# Altium PCB BMS_V2.1_Adv.PcbDoc (part 2 of 4) (continued)
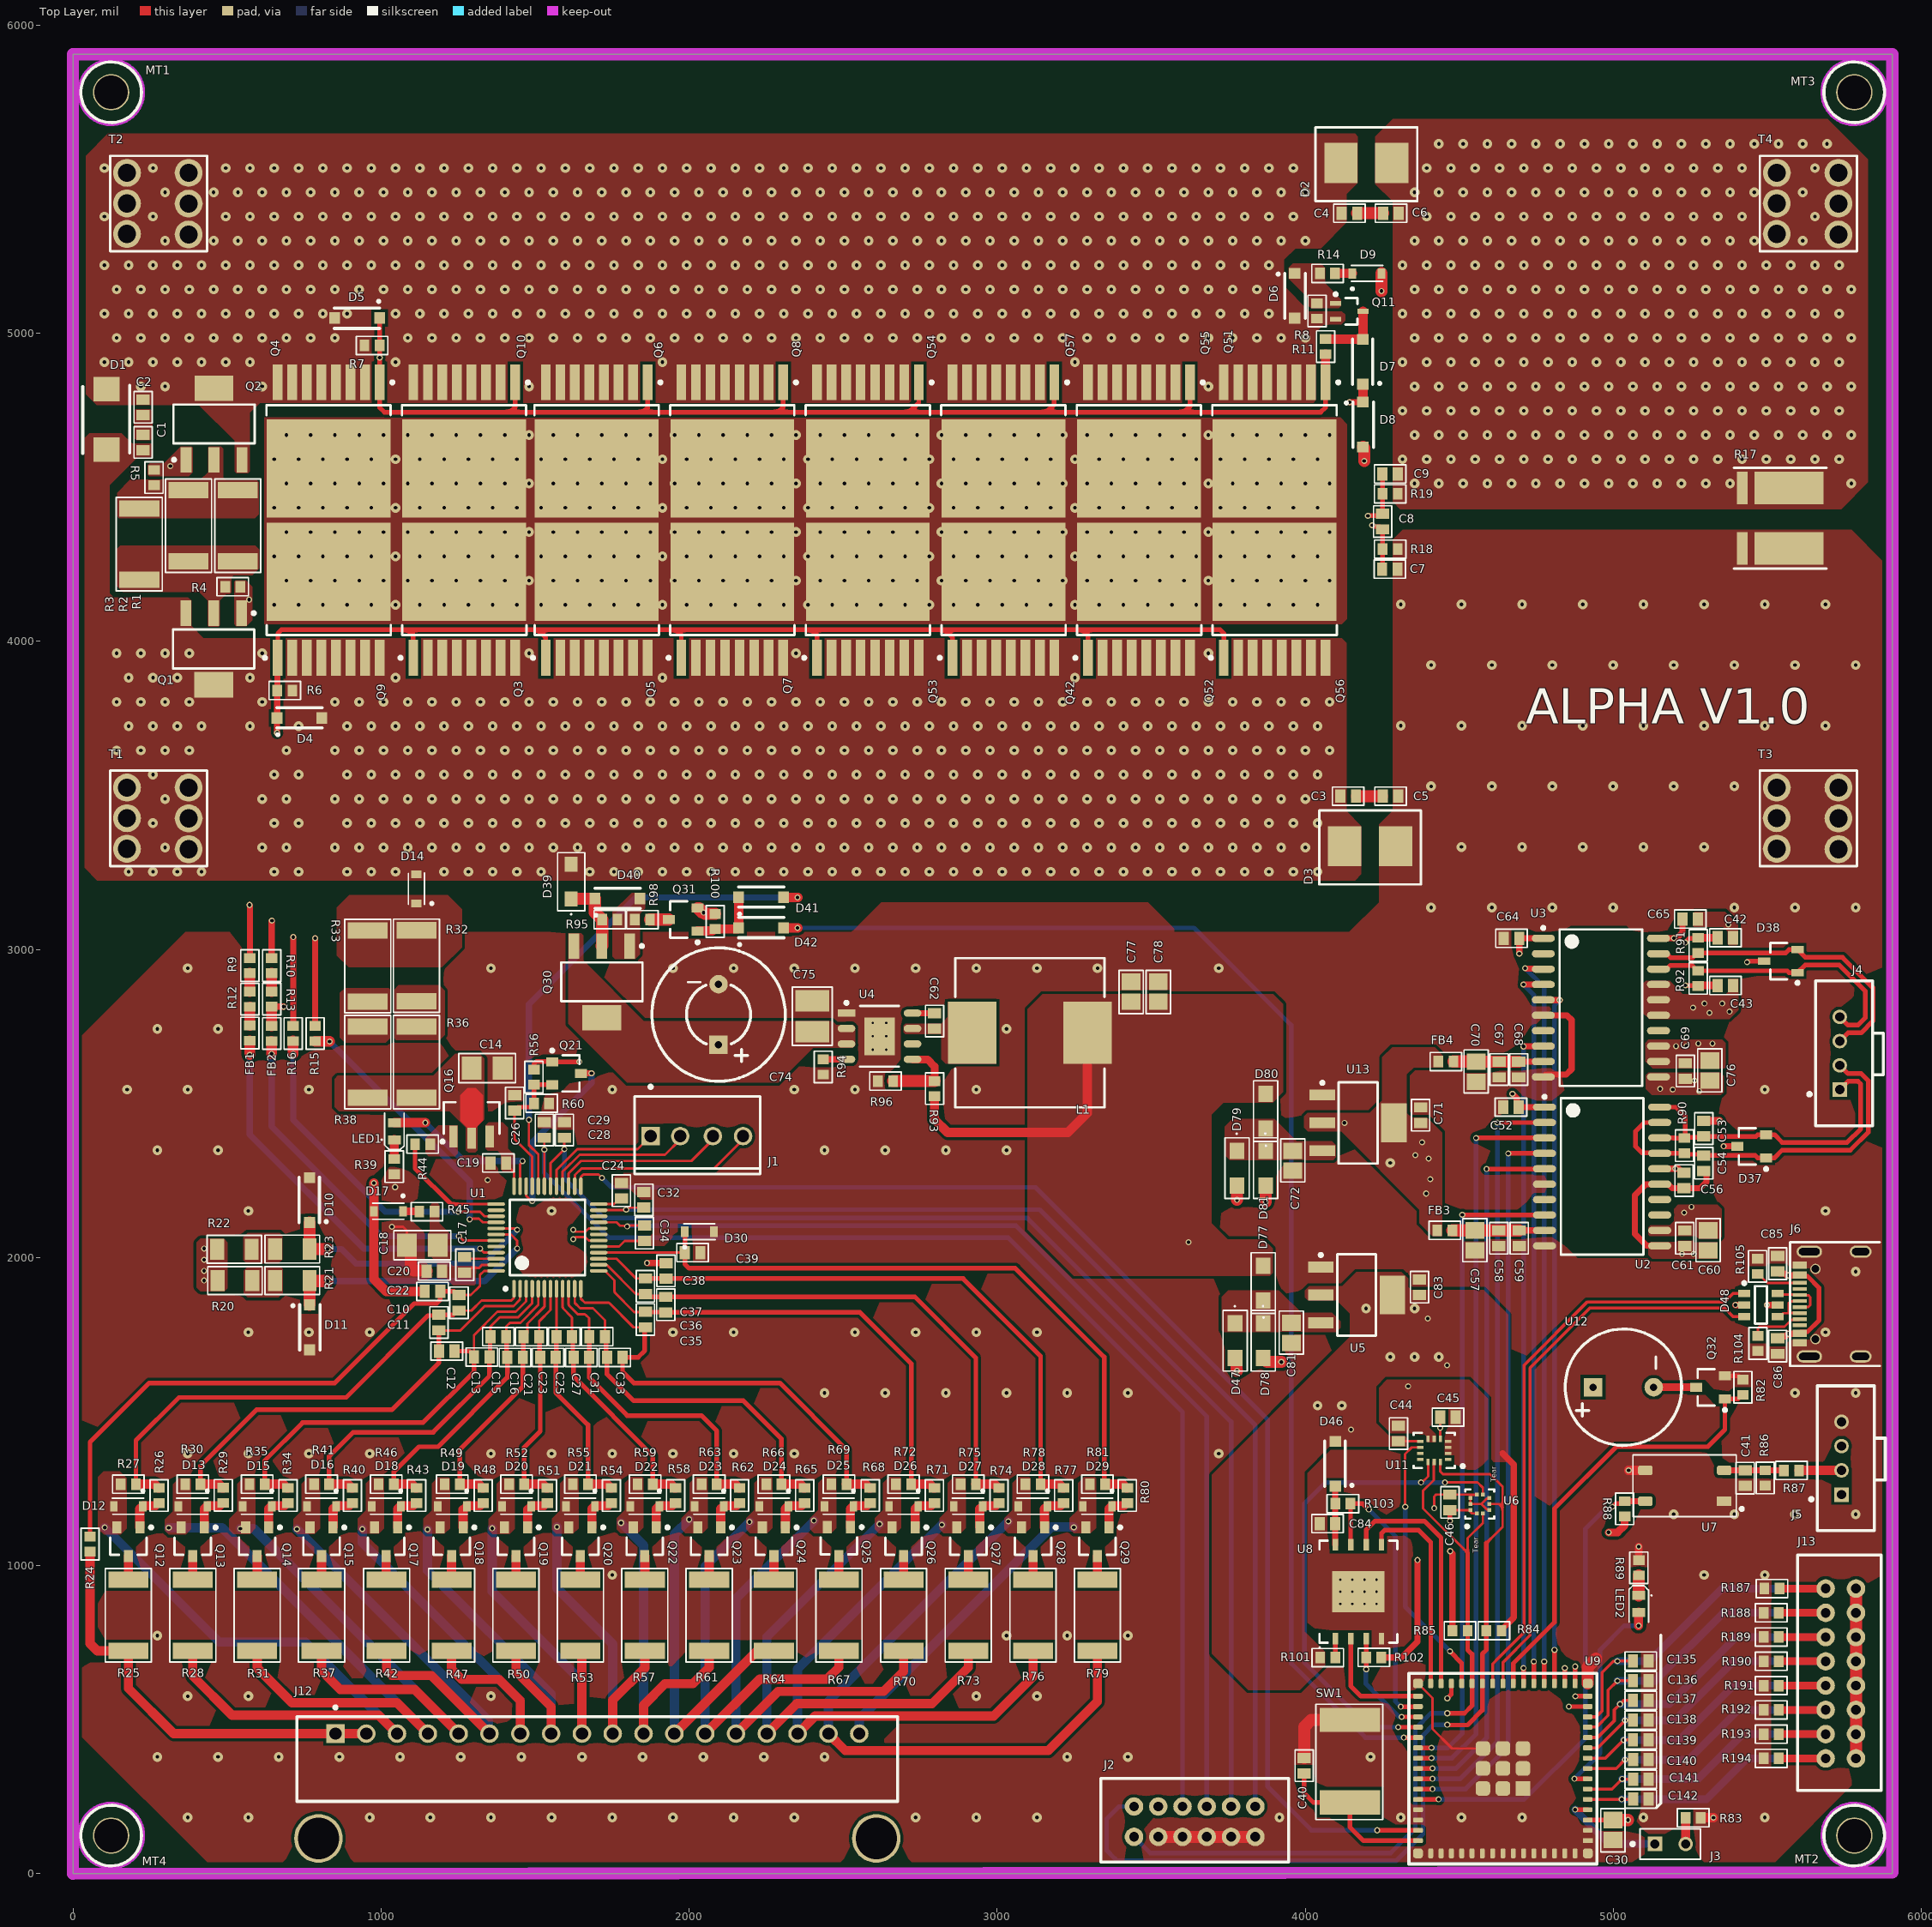
[diagram p0: Top Layer view]
## Part data (continued)
R95: library part Res_CRCW06033M00JNEA, "SMD Chip Resistor,3 MOhms ±5%, 1/10W, 0603 (1608 Metric) Anti-Sulfur, Automotive AEC-Q200 Thick Film", Manufacturer="Vishay Dale", Max Temp="155 degC", Min Temp="-55 degC", Package=0603, Power=1/10W, Supplier 1 Part Number=541-CRCW06033M00JNEACT-ND, Supplier Part Number=71-CRCW0603J-3M-E3, Tolerance=5%, Value Display="3ME, 5%, 0603", AEC-Q=200, Category=Resistor, ComponentLink1Description=Datasheet, ComponentLink1URL=https://www.vishay.com/docs/20035/dcrcwe3.pdf, Manufacturer Part Number=CRCW06033M00JNEA, Mount Type="Surface Mount", RoHS=Yes, Supplier=Mouser, Supplier 1=Digikey, Supplier 1 pricing per Unit="8.34 INR", Supplier pricing per Unit="8.34 INR", Value 1=CRCW06033M00JNEA
R96: library part Res_AC0603FR-079K09L, "SMD Chip Resistor,9.09k Ohms ±1% 0.1W, 1/10W, 0603 (1608 Metric) Anti-Sulfur, Automotive AEC-Q200 Thick Film", Manufacturer=Yageo, Max Temp="155 degC", Min Temp="-55 degC", Package=0603, Power=1/10W, Supplier 1 Part Number=13-AC0603FR-079K09LCT-ND, Supplier Part Number=603-AC0603FR-079K09L, Tolerance=1%, Value Display="9.09kE, 1%, 0603", AEC-Q=200, Category=Resistor, ComponentLink1Description=Datasheet, ComponentLink1URL=https://www.yageo.com/upload/media/product/productsearch/datasheet/rchip/PYu-AC_51_RoHS_L_10.pdf, Manufacturer Part Number=AC0603FR-079K09L, Mount Type="Surface Mount", RoHS=Yes, Supplier=Mouser, Supplier 1=Digikey, Supplier 1 pricing per Unit="8.34 INR", Supplier pricing per Unit="8.34 INR", Value 1=AC0603FR-079K09L
R98: library part Res_CRCW06036M80JNEA, "SMD Chip Resistor,6.8 MOhms ±5%, 1/10W, 0603 (1608 Metric) Anti-Sulfur, Automotive AEC-Q200 Thick Film", Manufacturer="Vishay Dale", Max Temp="155 degC", Min Temp="-55 degC", Package=0603, Power=1/10W, Supplier 1 Part Number=541-CRCW06036M80JNEACT-ND, Supplier Part Number=71-CRCW0603J-6.8M-E3, Tolerance=5%, Value Display="6.8ME, 5%, 0603", AEC-Q=200, Category=Resistor, ComponentLink1Description=Datasheet, ComponentLink1URL=https://www.vishay.com/docs/20035/dcrcwe3.pdf, Manufacturer Part Number=CRCW06036M80JNEA, Mount Type="Surface Mount", RoHS=Yes, Supplier=Mouser, Supplier 1=Digikey, Supplier 1 pricing per Unit="8.34 INR", Supplier pricing per Unit="8.34 INR", Value 1=CRCW06036M80JNEA
R187 R188 R189 R190 R191 R192 R193 R194: library part Res_RNCF0603BTE10K0, "SMD Chip Resistor, 10 kOhm, 100 mW, 0603 [1608 Metric], Thick Film, General Purpose, High Precision", Manufacturer="Stackpole Electronics", Max Temp="155 degC", Min Temp="-55 degC", Package=0603, Power=1/6W, Supplier 1 Part Number=RNCF0603BTE10K0CT-ND, Supplier Part Number=708-RNCF0603BTE10K0, Tolerance=0.1%, Value Display="10kE, 0.1%, 0603", AEC-Q=200, Category=Resistor, ComponentLink1Description=Datasheet, ComponentLink1URL=https://www.seielect.com/catalog/sei-rncf.pdf, Manufacturer Part Number=RNCF0603BTE10K0, Mount Type="Surface Mount", RoHS=Yes, Supplier=Mouser, Supplier 1=Digikey, Supplier 1 pricing per Unit="13.34 INR", Supplier pricing per Unit="12.51 INR", Value 1=RNCF0603BTE10K0
SW1: library part Sw_TL3305AF260QG, "SWITCH TACTILE SPST-NO 0.05A 12V", Manufacturer="E Switch", Package=SMT, Supplier 1 Part Number=EG5353CT-ND, Supplier Part Number=612-TL3305AF260QG, Category=Switch, ComponentLink1Description=Datasheet, ComponentLink1URL=https://configured-product-images.s3.amazonaws.com/Datasheets/TL3305.pdf, Manufacturer Part Number=TL3305AF260QG, Mount Type="Surface Mount", RoHS=Yes, Supplier=Mouser, Supplier 1=Digikey, Supplier 1 pricing per Unit="17.61 INR", Supplier pricing per Unit="17.51 INR", Value 1=TL3305AF260QG, Value Display=TL3305AF260QG
T1 T2 T3 T4: library part Terminal_7461057, "6 Pin Screw Terminal, Power Tap M3 Through Hole", Manufacturer="Wurth Electronik", Package=TH, Supplier 1 Part Number=732-3200-ND, Supplier Part Number=710-7461057, Value Display="M3 Screw Terminal", Category=Terminal, ComponentLink1Description=Datasheet, ComponentLink1URL=https://www.we-online.com/components/products/datasheet/7461057.pdf, Manufacturer Part Number=7461057, Mount Type=TH, RoHS=Yes, Supplier=Mouser, Supplier 1=Digikey, Supplier 1 pricing per Unit="213.66 INR", Supplier pricing per Unit="213.30 INR", Value 1=7461057
U1: library part IC_BQ7695203, "SPI 5V LDO enabled", Manufacturer="Texas Instruments", Manufacturer Part Number=BQ7695203PFBR, Max Temp="85 degC", Min Temp="-40 degC", Package=TQFP, Supplier 1 Part Number=296-BQ7695203PFBRCT-ND, Supplier Part Number=595-BQ7695203PFBR, Value Display=AFE, AEC-Q=NA, Category="Battery Management IC", Communication=SPI, ComponentLink1Description=Datasheet, ComponentLink1URL=https://www.ti.com/lit/ds/symlink/bq76952.pdf?ts=1714053938138&ref_url=https%253A%252F%252Fwww.ti.com%252Fproduct%252FBQ76952, LDO=5V, Mount Type="Surface Mount", RoHS=Yes, Supplier=Mouser, Supplier 1=Digikey, Supplier 1 pricing per Unit="451.09 INR", Supplier pricing per Unit="443.85 INR", Value 1=BQ7695203PFBR
U2: library part IC_ISOW1412BDFMR, "RS-422/RS-485 Interface IC EMC protected, 500-Kbps, full-duplex, 5-kVrms isolated RS-485 & RS-422 transceiver 16-SOIC -40 to 125", Manufacturer="Texas Instruments", Max Temp="125 degC", Min Temp="-40 degC", Package=DFM, Supplier 1 Part Number=296-ISOW1412BDFMRCT-ND, Supplier Part Number=595-ISOW1412BDFMR, AEC-Q=NA, Category="Isolated RS485", ComponentLink1Description=Datasheet, ComponentLink1URL=https://www.ti.com/lit/ds/symlink/isow1432.pdf?ts=1718250901222&ref_url=https%253A%252F%252Fwww.mouser.in%252F, Manufacturer Part Number=ISOW1412BDFMR, Mount Type="Surface Mount", RoHS=Yes, Supplier=Mouser, Supplier 1=Digikey, Supplier 1 pricing per Unit="742.42 INR", Supplier pricing per Unit="885.71 INR", Value 1=ISOW1412BDFMR, Value Display=ISOW1412BDFMR
U3: library part IC_ISOW1044BDFMR, "1/1 Transceiver, Isolated Half CANbus 20-SOIC", Manufacturer="Texas Instruments", Max Temp="125 degC", Min Temp="-40 degC", Package=DFM, Supplier 1 Part Number=296-ISOW1044BDFMRCT-ND, Supplier Part Number=595-ISOW1044BDFMR, AEC-Q=NA, Category="Isolated CAN", ComponentLink1Description=Datasheet, ComponentLink1URL=https://www.ti.com/lit/ds/symlink/isow1044.pdf?ts=1694787726249&ref_url=https%253A%252F%252Fwww.ti.com%252Fsitesearch%252Fen-us%252Fdocs%252Funiversalsearch.tsp%253FlangPref%253Den-US%2526searchTerm%253DISOW1044BDFMR%2526nr%253D6, Manufacturer Part Number=ISOW1044BDFMR, Mount Type="Surface Mount", RoHS=Yes, Supplier=Mouser, Supplier 1=Digikey, Supplier 1 pricing per Unit="736.25 INR", Supplier pricing per Unit="881.54 INR", Value 1=ISOW1044BDFMR, Value Display=ISOW1044BDFMR
U4: library part IC_LMR38020FSDDAR, "Buck Switching Regulator IC Positive Adjustable 1V 1 Output 2A 8-PowerSOIC (0.154\", 3.90mm Width)", Manufacturer="Texas Instruments", Max Temp="150 degC", Min Temp="-40 degC", Package="DDA (SO Power PAD)", Supplier 1 Part Number=296-LMR38020FSDDARCT-ND, Supplier Part Number=595-LMR38020FSDDAR, Voltage="4.5V - 80V", AEC-Q=NA, Category="Buck Converter IC", ComponentLink1Description=Datasheet, ComponentLink1URL=https://www.ti.com/lit/ds/symlink/lmr38020.pdf?ts=1730698175380&ref_url=https%253A%252F%252Fwww.ti.com%252Fproduct%252FLMR38020%253FkeyMatch%253DLMR38020%2526tisearch%253Duniversal_search, Manufacturer Part Number=LMR38020FSDDAR, Mount Type="Surface Mount", RoHS=Yes, Supplier=Mouser, Supplier 1=Digikey, Supplier 1 pricing per Unit="207.70 INR", Supplier pricing per Unit="206.00 INR", Value 1=LMR38020FSDDAR, Value Display=LMR38020FSDDAR
U5: library part IC_NCP1117ST33T3G, "LDO Voltage Regulators 3.3V 1A Positive", Manufacturer=OnSemi, Max Temp="125 degC", Min Temp="0 degC", Package="SOT 22-3", Supplier 1 Part Number=NCP1117ST33T3GOSCT-ND, Supplier Part Number=863-NCP1117ST33T3G, Value Display="3.3V - 1A", Voltage="20V (Max)", AEC-Q=NA, Category=LDO, ComponentLink1Description=Datasheet, ComponentLink1URL=https://www.onsemi.com/pdf/datasheet/ncp1117-d.pdf, Manufacturer Part Number=NCP1117ST33T3G, Mount Type="Surface Mount", RoHS=Yes, Supplier=Mouser, Supplier 1=Digikey, Supplier 1 pricing per Unit="93.9 INR", Supplier pricing per Unit="56.71 INR", Value 1=NCP1117ST33T3G
U6: library part IC_ILPS22QSTR, "Pressure Sensor 3.77PSI ~ 58.89PSI (26kPa ~ 406kPa) Absolute 24 b 10-WFLGA", Manufacturer=ST, Max Temp="105 degC", Min Temp="-40 degC", Package=HLGA, Supplier 1 Part Number=497-ILPS22QSTRCT-ND, Supplier Part Number=511-ILPS22QSTR, Value Display="3.3V - 50uA", Voltage=3.3V, AEC-Q=NA, Category="Pressure Sensor", ComponentLink1Description=Datasheet, ComponentLink1URL=https://www.st.com/resource/en/datasheet/ilps22qs.pdf, Manufacturer Part Number=ILPS22QSTR, Mount Type="Surface Mount", RoHS=Yes, Supplier=Mouser, Supplier 1=Digikey, Supplier 1 pricing per Unit="377.56 INR", Supplier pricing per Unit="395.35 INR", Value 1=ILPS22QSTR
U7: library part IC_VOM617A-4X001T, "Optoisolator Transistor Output 3750Vrms 1 Channel 4-SOP", Manufacturer="Vishay Dale", Max Temp="110 degC", Min Temp="-55 degC", Package="SOP 4", Supplier 1 Part Number=VOM617A-4X001TCT-ND, Supplier Part Number=78-VOM617A-4X001T, Value Display="1.6V - 60mA/ 80V - 100mA", Voltage="3750 VRMS", AEC-Q=NA, Category="Opto Coupler", ComponentLink1Description=Datasheet, ComponentLink1URL=https://www.vishay.com/docs/83446/vom617a.pdf, Manufacturer Part Number=VOM617A-4X001T, Mount Type="Surface Mount", RoHS=Yes, Supplier=Mouser, Supplier 1=Digikey, Supplier 1 pricing per Unit="52.14 INR", Supplier pricing per Unit="52.71 INR", Value 1=VOM617A-4X001T
U8: library part IC_W25Q256JVEIQ, "FLASH - NOR Memory IC 256Mbit SPI - Quad I/O 133 MHz 8-WSON (8x6)", Manufacturer=Winbond, Max Temp="85 degC", Min Temp="-40 degC", Package=WSON-8, Supplier 1 Part Number=W25Q256JVEIQ-ND, Supplier Part Number=454-W25Q256JVEIQ, Voltage=3.3V, AEC-Q=NA, Category="Flash Memory", ComponentLink1Description=Datasheet, ComponentLink1URL=https://www.winbond.com/hq/support/documentation/levelOne.jsp?__locale=en&DocNo=DA00-W25Q256JV, Data Flash=256Mbit, Manufacturer Part Number=W25Q256JVEIQ, Mount Type="Surface Mount", RoHS=Yes, Supplier=Mouser, Supplier 1=Digikey, Supplier 1 pricing per Unit="268.68 INR", Supplier pricing per Unit="267.71 INR", Value 1=W25Q256JVEIQ, Value Display=W25Q256JVEIQ
U9: library part IC_ESP32-S3-MINI-1-N8, "Multiprotocol Modules SMD module, ESP32-S3FN8, 8 MB SPI flash, PCB antenna", Manufacturer=Espressif, Max Temp="85 degC", Min Temp="-40 degC", Package=Module, Supplier 1 Part Number=1965-ESP32-S3-MINI-1-N8CT-ND, Supplier Part Number=356-ESP32-S3-MINI1N8, Value Display=MCU, AEC-Q=NA, Category=MCU, ComponentLink1Description=Datasheet, ComponentLink1URL=https://www.espressif.com/sites/default/files/documentation/esp32-s3-mini-1_mini-1u_datasheet_en.pdf, Data Flash="8 MB", Manufacturer Part Number=ESP32-S3-MINI-1-N8, Mount Type="Surface Mount", RoHS=Yes, Supplier=Mouser, Supplier 1=Digikey, Supplier 1 pricing per Unit="259.84 INR", Supplier pricing per Unit="258.54 INR", Value 1=ESP32-S3-MINI-1-N8
U11: library part IC_ASM330LHHTR, "Accelerometer, Gyroscope, Temperature, 6 Axis Sensor I2C, SPI Output", Manufacturer=ST, Max Temp="105 degC", Min Temp="-40 degC", Package=SMT, Supplier 1 Part Number=497-19078-1-ND, Supplier Part Number=511-ASM330LHHTR, Voltage=3.3V, AEC-Q=100, Category="Inertial module", ComponentLink1Description=Datasheet, ComponentLink1URL=https://www.st.com/resource/en/datasheet/asm330lhh.pdf, Manufacturer Part Number=ASM330LHHTR, Mount Type="Surface Mount", RoHS=Yes, Supplier=Mouser, Supplier 1=Digikey, Supplier 1 pricing per Unit="850.9 INR", Supplier pricing per Unit="810.11 INR", Value 1=ASM330LHHTR, Value Display=ASM330LHHTR
U12: library part IC_AI-1027-TWT-5V-R, "Buzzers Indicator, Internally Driven Electromechanical/Magnetic 5 V 30mA 2.7kHz 80dB @ 5V, 10cm Through Hole PC Pins", Manufacturer=PUIaudio, Max Temp="80 degC", Min Temp="-20 degC", Package=TH, Supplier 1 Part Number=668-1339-ND, Supplier Part Number=665-AI-1027TWT5VR, Value Display="5V - 30mA", Voltage=5V, AEC-Q=NA, Category=Buzzer, ComponentLink1Description=Datasheet, ComponentLink1URL=https://docs.google.com/gview?url=https://api.puiaudio.com/filename/AI-1027-TWT-5V-R.pdf&embedded=true, Manufacturer Part Number=AI-1027-TWT-5V-R, Mount Type=TH, RoHS=Yes, Supplier=Mouser, Supplier 1=Digikey, Supplier 1 pricing per Unit="124.45 INR", Supplier pricing per Unit="123.43 INR", Value 1=AI-1027-TWT-5V-R
U13: library part IC_NCP1117ST50T3G, "LDO Voltage Regulators 5V 1A Positive", Manufacturer=OnSemi, Max Temp="125 degC", Min Temp="0 degC", Package="SOT 22-3", Supplier 1 Part Number=NCP1117ST50T3GOSCT-ND, Supplier Part Number=863-NCP1117ST50T3G, Value Display="5V - 1A", Voltage="20V (Max)", AEC-Q=NA, Category=LDO, ComponentLink1Description=Datasheet, ComponentLink1URL=https://www.onsemi.com/pdf/datasheet/ncp1117-d.pdf, Manufacturer Part Number=NCP1117ST50T3G, Mount Type="Surface Mount", RoHS=Yes, Supplier=Mouser, Supplier 1=Digikey, Supplier 1 pricing per Unit="94.18 INR", Supplier pricing per Unit="56.71 INR", Value 1=NCP1117ST50T3G

## Via types
v1: diameter 31.5, hole 11.81, Top Layer to Bottom Layer, 1038 vias
v2: diameter 31.5/31.5/31.5/31.5 (per signal layer), hole 11.81, Top Layer to Bottom Layer, 513 vias
v3: diameter 19.68, hole 11.81, Top Layer to Bottom Layer, 172 vias
v4: diameter 19.68, hole 7.87, Top Layer to Bottom Layer, 18 vias

## Nets (pads, with @x,y where several pads share a name; then routed paths per layer and width w, separated by ;. In a path a pad name is that pad's centre, name@x,y a point inside that pad or via, vN(x,y) a via of type N, cw(c..) or ccw(c..) an arc to the next point about the centre after c; other vN are vias at no path point)
1.8V: C24.1 U1.24 | length 81.3
  Top Layer w8: U1.24@1706.34,2173.27 1756.35,2173.27 1774.88,2191.8 C24.1@1780,2191.8
3.3V: C30.1 C44.2 C45.1 C46.1 C52.2 C64.2 C83.2 D46.2 J13.9 J13.10 J13.11 J13.12 J13.13 J13.14 J13.15 J13.16 R84.1 R85.1 R88.1 R101.1 R102.1 U2.1 U3.1 U5.2 U6.1 U6.10 U9.3 U11.5 U11.8 | length 6246.3
  Top Layer w8: C44.2@4302,1403.53 U11.8@4372.72,1403.53 ; U11.5@4437.69,1411.4 v3(4437.69,1446.83) C45.1@4437.69,1481.9 ; C46.1@4469,1180.32 U6.10@4535.49,1180.32 4535.49,1174.17 4540.17,1169.49 U6.1@4556.16,1169.49
  Top Layer w15: v3(4469,1144.84) C46.1@4469,1180.32 ; U9.3@4916.04,174.64 C30.1@4998.17,174.64
  Top Layer w20: R102.1@4246.61,702 4312.46,702 4364,753.54 v3(4364,1018) ; v3(4470,1047) 4477.39,1039.61 R85.1@4477.39,789 ; R84.1@4636.27,789 4636.27,791.95 4676,831.68 4676,1328.16 4640,1364.16 ; v3(4672,2531) 4685.66,2517.34 4685.66,2494.54 C52.2@4692.2,2488 U2.1@4775.98,2488 ; v3(4694.2,2986) C64.2@4694.2,3036 U3.1@4771.99,3036
  Top Layer w25: v3(4984,1108) 5013.02,1108 5036.08,1131.06 R88.1@5036.08,1160.05
  Top Layer w39.37: C30.1@4998.17,174.64 v3(5046.77,174.64) ; J13.9@5787,374.52 J13.10@5787,453.26 J13.11@5787,532 J13.12@5787,610.74 J13.13@5787,689.48 J13.14@5787,768.22 J13.15@5787,846.96 J13.16@5787,925.7
  PWR w39.37: v3(4397,1802) 4397,1487.52 v3(4437.69,1446.83) ; v3(4460,1650) 4460,1583 4935,1108 v3(4984,1108) 5713,1108 5787,1034 J13.16@5787,925.7 J13.15@5787,846.96 J13.14@5787,768.22 J13.13@5787,689.48 J13.12@5787,610.74 J13.11@5787,532 J13.10@5787,453.26 J13.9@5787,374.52 ; 4943.25,1108 4943.25,216.76 4989.01,171 5043.13,171 v3(5046.77,174.64)
  other v2: 4039.37,1519.69 4118.11,1519.69 4275.59,1677.17 4354.33,1677.17 4433.07,1677.17 4196.85,1834.65 4354.33,1834.65
  other v3: 4148,1441.48
3.3V_AFE: Q21.3 U1.34 | length 586.3
  Top Layer w8: U1.34@1471.1,2231.34 1471.1,2200.83 1488.98,2182.95 v3(1490.79,2182.95)
  Top Layer w20: Q21.3@1648.82,2597.72 v3(1683.08,2597.72)
  Bottom Layer w20: v3(1490.79,2182.95) 1490.79,2373.65 1683.08,2565.95 v3(1683.08,2597.72)
5V: C71.2 FB3.1 FB4.1 J2.5 U12.1 U13.2 | length 2653.1
  GND w39.37: J2.5@3522.52,218.43 3522.52,2147.52 3812,2437 v3(4126.63,2437)
  other v2: 4275.59,2307.09
  other v3: 4392,2207.5 4405,2254 4400.17,2321 4356.86,2332.42 4378.51,2374.01
5V_AFE: LED1.2 U1.35 | length 552.8
  Top Layer w8: U1.35@1451.42,2231.34 1451.42,2302.29 1459.17,2310.04 v3(1459.17,2313.21)
  Top Layer w20: LED1.2@1043.16,2437.13 LED1.2@1043.57,2437.54
  Top Layer w30: LED1.2@1043.57,2437.54 v3(1143.86,2437.54)
  Bottom Layer w20: v3(1143.86,2437.54) 1268.19,2313.21 v3(1459.17,2313.21)
5V_CAN: C65.1 C69.2 C76.2 U3.12 U3.13 U3.20 | length 128.9
  Top Layer w20: U3.20@5146.01,3036 5204.91,3036 5223.8,3054.89 C65.1@5223.8,3098.22
  other v3: 5202.97,2686 5236.21,2686 5275,2694.35 5321.27,2694.35 5196.06,3036
5V_RS485: C56.2 C60.2 C61.2 U2.12 U2.16 | length 84.8
  Top Layer w20: U2.16@5150,2288 5150.5,2288.5 5210.39,2288.5 5223.88,2275.01 C56.2@5229,2275.01
  other v3: 5229,2145.89 5252.65,2164.17 5200.44,2288.5
12V: C77.2 C78.2 D77.2 D80.2 J5.1 L1.2 R93.2 | length 3606.2
  Top Layer w30: R93.2@2796.47,2523.35 2796.47,2448.53 2839,2406 3229,2406 3292.48,2469.48 L1.2@3292.48,2729.58
  GND w39.37: v3(3621,2050) 3622,2049 3622,1583 3974.48,1230.52 J5.1@5740,1230.52
12V_SEC: D47.2 D79.2 J5.3 | length 2710.6
  Top Layer w39.37: D47.2@3772,1674 3776.33,1669.67 3776.33,1633.67 v3(3778,1632) ; v3(3778,2187) D79.2@3778,2233.9
  GND w39.37: v3(3778,2187) 3778,1630 4020,1388 J5.3@5740,1388
ACC_INT2: U9.27 U11.9 | length 878.8
  Top Layer w8: v3(4324,1190.99) 4323.65,1191.34 4323.65,1362.33 4345.17,1383.84 U11.9@4372.72,1383.84
  Top Layer w15: v3(4469,722) 4507.18,683.82 U9.27@4507.18,617.55
  Bottom Layer w15: v3(4324,1190.99) 4324,867 v3(4469,722)
AFE_BAT: C17.2 C18.2 C20.2 R45.2 U1.47 | length 115.4
  Top Layer w8: C17.2@1271.7,1943.94 1294.27,1966.51 1318.37,1966.51 1328.27,1976.42 U1.47@1373.66,1976.42
AFE_RegIN: C19.1 Q16.E U1.36 | length 86.1
  Top Layer w8: C19.1@1406.2,2306.84 1406.2,2301.72 1431.73,2276.19 U1.36@1431.73,2231.34
AFE_TS1: C32.1 J2.1 U1.23 | length 3718.5
  Top Layer w8: U1.23@1706.34,2153.58 1793.99,2153.58 v3(1795.75,2155.34) 1798.91,2155.34 1805.42,2161.85 C32.1@1852.8,2161.85
  Bottom Layer w15: v3(1795.75,2155.34) 3137.55,2155.34 3837.48,1455.41 J2.1@3837.48,218.43
AFE_TS2: C28.2 J2.2 U1.30 | length 4011.9
  Top Layer w8: U1.30@1549.84,2231.34 1549.84,2306.41 v3(1595.12,2351.69) C28.2@1595.12,2388.5
  Bottom Layer w15: v3(1595.12,2351.69) 1595.12,2305.22 1593.39,2303.49 1593.39,2258.3 1723.68,2128 3097.99,2128 3758.74,1467.25 J2.2@3758.74,218.43
AFE_TS3: C34.1 J2.3 U1.21 | length 3558.5
  Top Layer w8: U1.21@1706.34,2114.21 1764.25,2114.21 1775.31,2103.16 1788.17,2103.16 1788.44,2102.89 1796.47,2102.89 v3(1798.7,2100.66) ; v3@1798.7,2104.22 C34.1@1854.95,2104.22
  Bottom Layer w15: v3(1798.7,2100.66) 1799.97,2100.66 1802.31,2103 3061,2103 3680,1484 J2.3@3680,218.43
AFE_TS4: C29.2 J2.4 U1.31 | length 3906.4
  Top Layer w8: U1.31@1530.16,2231.34 1530.04,2231.49 1530.04,2349.95 v3(1529.92,2350.07) 1529.92,2388.24 C29.2@1530.18,2388.5
  Bottom Layer w15: v3(1529.92,2350.07) 1529.16,2349.31 1529.16,2275.48 1740.75,2063.89 3036.11,2063.89 3601.26,1498.74 J2.4@3601.26,218.43
BREG: R44.1 U1.37 | length 389.9
  Top Layer w8: 1226.73,2173.27 U1.37@1373.66,2173.27
  Top Layer w15: R44.1@1110.39,2368 1110.39,2289.61 1226.73,2173.27
BST: C62.2 L1.1 U4.7
BUZZ_IN: Q32.1 R82.1 U9.22 | length 1446.4
  Top Layer w15: U9.22@4674.5,617.55 4674.5,682.5 4808.36,816.36 4808.36,1185.36 5009,1386 5306,1386 5361.5,1441.5 Q32.1@5361.5,1541.6 5404.25,1541.6 5417.05,1554.39 R82.1@5420,1554.39
CAN_EN: U3.8 U9.21 | length 2131.9
  Top Layer w15: U9.21@4707.97,617.55 v3(4707.97,667.66)
  Top Layer w20: v3(4707.97,2684.97) 4708.31,2685.31 4771.3,2685.31 U3.8@4771.99,2686
  Bottom Layer w15: v3(4707.97,667.66) v3(4707.97,2684.97)
CAN_GND: C42.1 C43.1 C65.2 C69.1 C76.1 D38.3 U3.11 U3.15 U3.16 U3.17 | length 53.9
  Top Layer w15: v3@5435,2962 D38.3@5488.87,2962
  other v3: 5278,2540.02 5192.27,2545.25 5151.15,2547.4 5262.5,2574.19 5311.27,2794.35 5376.39,2797.81 5258,2811 5295.08,2824.19 5352.69,2824.19 5433.35,2958.54 5372.71,3080.59
CAN_N: D38.1 J4.4 R92.2 U3.18 | length 921.3
  Top Layer w15: U3.18@5146.01,2936 5172.7,2936 5184.7,2948 5254.65,2948 5272.05,2930.61 5563.94,2930.61 5569.95,2924.6 D38.1@5597.13,2924.6 5621.54,2949 5733,2949 5817,2865 5817,2778.03 5793.21,2754.24 5761.06,2754.24 J4.4@5734.19,2781.11
CAN_P: D38.2 J4.3 R91.1 U3.19 | length 1006.2
  Top Layer w15: U3.19@5146.01,2986 5171.7,2986 5184.7,2973 5256.65,2973 5272.05,2988.39 5558.94,2988.39 5569.95,2999.4 D38.2@5597.13,2999.4 5622.54,2974 5743.36,2974 5842,2875.36 5842,2767.67 5803.57,2729.24 5761.06,2729.24 J4.3@5734.19,2702.37
CAN_RX: U3.5 U9.18 | length 2277.2
  Top Layer w15: U9.18@4808.36,617.55 v3(4808.36,726.72)
  Top Layer w20: U3.5@4772.69,2835.31 v3(4825.14,2835.31)
  Bottom Layer w15: v3(4808.36,726.72) 4808.36,2817.26 4825.14,2834.04 v3(4825.14,2835.31)
CAN_STBY: U3.4 U9.20 | length 2346.3
  Top Layer w15: U9.20@4741.43,617.55 v3(4741.43,689)
  Top Layer w20: v3(4707.97,2886) U3.4@4771.99,2886
  Bottom Layer w15: v3(4707.97,2886) 4741.43,2852.54 v3(4741.43,689)
CAN_TX: U3.3 U9.19 | length 2407.3
  Top Layer w15: v3(4713,2939) 4714.27,2939 v3@4715.62,2937.65 ; U3.3@4770.34,2937.65 U3.3@4771.99,2936 ; U9.19@4774.9,617.55 v3(4774.9,689)
  Top Layer w20: v3@4715.62,2937.65 U3.3@4770.34,2937.65
  Bottom Layer w15: v3(4713,2939) 4774.9,2877.1 v3(4774.9,689)
CD: Q3.9 Q4.9 Q5.9 Q6.9 Q7.9 Q8.9 Q9.9 Q10.9 Q42.9 Q51.9 Q52.9 Q53.9 Q54.9 Q55.9 Q56.9 Q57.9
  other v2: 653.54,4118.11 732.28,4118.11 811.02,4118.11 889.76,4118.11 968.51,4118.11 1047.25,4118.11 1125.99,4118.11 1204.73,4118.11 1283.47,4118.11 1362.21,4118.11 1440.95,4118.11 1519.69,4118.11 1598.43,4118.11 1677.17,4118.11 1755.91,4118.11 1834.65,4118.11 1913.39,4118.11 1992.13,4118.11 2070.87,4118.11 2149.61,4118.11 2228.35,4118.11 2307.09,4118.11 2385.83,4118.11 2464.57,4118.11 2543.31,4118.11 2622.05,4118.11 2700.79,4118.11 2779.53,4118.11 2858.27,4118.11 2937.01,4118.11 3015.75,4118.11 3094.49,4118.11 3173.23,4118.11 3251.97,4118.11 3330.71,4118.11 3409.45,4118.11 3488.19,4118.11 3566.93,4118.11 3645.67,4118.11 3724.41,4118.11 3803.15,4118.11 3881.89,4118.11 3960.63,4118.11 4039.37,4118.11 692.91,4196.85 771.65,4196.85 850.39,4196.85 929.13,4196.85 1007.88,4196.85 1086.62,4196.85 1165.36,4196.85 1244.1,4196.85 1322.84,4196.85 1401.58,4196.85 1480.32,4196.85 1559.06,4196.85 1637.8,4196.85 1716.54,4196.85 1795.28,4196.85 1874.02,4196.85 1952.76,4196.85 2031.5,4196.85 2110.24,4196.85 2188.98,4196.85 2267.72,4196.85 2346.46,4196.85 2425.2,4196.85 2503.94,4196.85 2582.68,4196.85 2661.42,4196.85 2740.16,4196.85 2818.9,4196.85 2897.64,4196.85 2976.38,4196.85 3055.12,4196.85 3133.86,4196.85 3212.6,4196.85 3291.34,4196.85 3370.08,4196.85 3448.82,4196.85 3527.56,4196.85 3606.3,4196.85 3685.04,4196.85 3763.78,4196.85 3842.52,4196.85 3921.26,4196.85 4000,4196.85 4078.74,4196.85 653.54,4275.59 732.28,4275.59 811.02,4275.59 889.76,4275.59 968.51,4275.59 1047.25,4275.59 1125.99,4275.59 1204.73,4275.59 1283.47,4275.59 1362.21,4275.59 1440.95,4275.59 1519.69,4275.59 1598.43,4275.59 1677.17,4275.59 1755.91,4275.59 1834.65,4275.59 1913.39,4275.59 1992.13,4275.59 2070.87,4275.59 2149.61,4275.59 2228.35,4275.59 2307.09,4275.59 2385.83,4275.59 2464.57,4275.59 2543.31,4275.59 2622.05,4275.59 2700.79,4275.59 2779.53,4275.59 2858.27,4275.59 2937.01,4275.59 3015.75,4275.59 3094.49,4275.59 3173.23,4275.59 3251.97,4275.59 3330.71,4275.59 3409.45,4275.59 3488.19,4275.59 3566.93,4275.59 3645.67,4275.59 3724.41,4275.59 3803.15,4275.59 3881.89,4275.59 3960.63,4275.59 4039.37,4275.59 692.91,4354.33 771.65,4354.33 850.39,4354.33 929.13,4354.33 1007.88,4354.33 1086.62,4354.33 1165.36,4354.33 1244.1,4354.33 1322.84,4354.33 1401.58,4354.33 1480.32,4354.33 1559.06,4354.33 1637.8,4354.33 1716.54,4354.33 1795.28,4354.33 1874.02,4354.33 1952.76,4354.33 2031.5,4354.33 2110.24,4354.33 2188.98,4354.33 2267.72,4354.33 2346.46,4354.33 2425.2,4354.33 2503.94,4354.33 2582.68,4354.33 2661.42,4354.33 2740.16,4354.33 2818.9,4354.33 2897.64,4354.33 2976.38,4354.33 3055.12,4354.33 3133.86,4354.33 3212.6,4354.33 3291.34,4354.33 3370.08,4354.33 3448.82,4354.33 3527.56,4354.33 3606.3,4354.33 3685.04,4354.33 3763.78,4354.33 3842.52,4354.33 3921.26,4354.33 4000,4354.33 4078.74,4354.33 653.54,4433.07 732.28,4433.07 811.02,4433.07 889.76,4433.07 968.51,4433.07 1047.25,4433.07 1125.99,4433.07 1204.73,4433.07 1283.47,4433.07 1362.21,4433.07 1440.95,4433.07 1519.69,4433.07 1598.43,4433.07 1677.17,4433.07 1755.91,4433.07 1834.65,4433.07 1913.39,4433.07 1992.13,4433.07 2070.87,4433.07 2149.61,4433.07 2228.35,4433.07 2307.09,4433.07 2385.83,4433.07 2464.57,4433.07 2543.31,4433.07 2622.05,4433.07 2700.79,4433.07 2779.53,4433.07 2858.27,4433.07 2937.01,4433.07 3015.75,4433.07 3094.49,4433.07 3173.23,4433.07 3251.97,4433.07 3330.71,4433.07 3409.45,4433.07 3488.19,4433.07 3566.93,4433.07 3645.67,4433.07 3724.41,4433.07 3803.15,4433.07 3881.89,4433.07 3960.63,4433.07 4039.37,4433.07 692.91,4511.81 771.65,4511.81 850.39,4511.81 929.13,4511.81 1007.88,4511.81 1086.62,4511.81 1165.36,4511.81 1244.1,4511.81 1322.84,4511.81 1401.58,4511.81 1480.32,4511.81 1559.06,4511.81 1637.8,4511.81 1716.54,4511.81 1795.28,4511.81 1874.02,4511.81 1952.76,4511.81 2031.5,4511.81 2110.24,4511.81 2188.98,4511.81 2267.72,4511.81 2346.46,4511.81 2425.2,4511.81 2503.94,4511.81 2582.68,4511.81 2661.42,4511.81 2740.16,4511.81 2818.9,4511.81 2897.64,4511.81 2976.38,4511.81 3055.12,4511.81 3133.86,4511.81 3212.6,4511.81 3291.34,4511.81 3370.08,4511.81 3448.82,4511.81 3527.56,4511.81 3606.3,4511.81 3685.04,4511.81 3763.78,4511.81 3842.52,4511.81 3921.26,4511.81 4000,4511.81 4078.74,4511.81 653.54,4590.55 732.28,4590.55 811.02,4590.55 889.76,4590.55 968.51,4590.55 1047.25,4590.55 1125.99,4590.55 1204.73,4590.55 1283.47,4590.55 1362.21,4590.55 1440.95,4590.55 1519.69,4590.55 1598.43,4590.55 1677.17,4590.55 1755.91,4590.55 1834.65,4590.55 1913.39,4590.55 1992.13,4590.55 2070.87,4590.55 2149.61,4590.55 2228.35,4590.55 2307.09,4590.55 2385.83,4590.55 2464.57,4590.55 2543.31,4590.55 2622.05,4590.55 2700.79,4590.55 2779.53,4590.55 2858.27,4590.55 2937.01,4590.55 3015.75,4590.55 3094.49,4590.55 3173.23,4590.55 3251.97,4590.55 3330.71,4590.55 3409.45,4590.55 3488.19,4590.55 3566.93,4590.55 3645.67,4590.55 3724.41,4590.55 3803.15,4590.55 3881.89,4590.55 3960.63,4590.55 4039.37,4590.55 692.91,4669.29 771.65,4669.29 850.39,4669.29 929.13,4669.29 1007.88,4669.29 1086.62,4669.29 1165.36,4669.29 1244.1,4669.29 1322.84,4669.29 1401.58,4669.29 1480.32,4669.29 1559.06,4669.29 1637.8,4669.29 1716.54,4669.29 1795.28,4669.29 1874.02,4669.29 1952.76,4669.29 2031.5,4669.29 2110.24,4669.29 2188.98,4669.29 2267.72,4669.29 2346.46,4669.29 2425.2,4669.29 2503.94,4669.29 2582.68,4669.29 2661.42,4669.29 2740.16,4669.29 2818.9,4669.29 2897.64,4669.29 2976.38,4669.29 3055.12,4669.29 3133.86,4669.29 3212.6,4669.29 3291.34,4669.29 3370.08,4669.29 3448.82,4669.29 3527.56,4669.29 3606.3,4669.29 3685.04,4669.29 3763.78,4669.29 3842.52,4669.29 3921.26,4669.29 4000,4669.29 4078.74,4669.29
Cell0: D29.2 J12.18 Q29.2 R81.1 | length 1002.7
  Bottom Layer w30: J12.18@2552,455 2552,502 3176,1126 3246.61,1126 v3(3248.48,1124.13)
Cell1: D28.2 J12.17 Q28.2 R78.1 R79.1 | length 2056.8
  Top Layer w30: J12.17@2452,455 2507,400 3165.43,400 3325,559.57 R79.1@3325,723.84
  Bottom Layer w30: J12.17@2452,455 2452,560.1 v3(3035.72,1143.82)
Cell2: D27.2 J12.16 Q27.2 R75.1 R76.1 | length 1796.3
  Top Layer w30: J12.16@2352,455 2409,512 2988,512 3116,640 R76.1@3116,723.84
  Bottom Layer w30: J12.16@2352,455 2352,665 v3(2820,1133)
Cell3: D26.2 J12.15 Q26.2 R72.1 R73.1 | length 1628.5
  Top Layer w30: J12.15@2252,455 2349,552 2788,552 2905.84,669.84 2905.84,723.68 R73.1@2906,723.84
  Bottom Layer w30: J12.15@2252,455 2252,769 v3(2618,1135)
Cell4: D25.2 J12.14 Q25.2 R69.1 R70.1 | length 1490.3
  Top Layer w30: J12.14@2152,455 2289,592 2631,592 2696,657 R70.1@2696,723.84
  Bottom Layer w30: J12.14@2152,455 2152,893 v3(2405,1146)
Cell5: D24.2 J12.13 Q24.2 R66.1 R67.1 | length 1323.5
  Top Layer w30: J12.13@2052,455 2229,632 2448,632 2485.84,669.84 2485.84,723.68 R67.1@2486,723.84
  Bottom Layer w30: J12.13@2052,455 2052,998 v3(2196,1142)
Cell6: D23.2 J12.12 Q23.2 R63.1 R64.1 | length 1149.3
  Top Layer w30: J12.12@1952,455 2220.84,723.84 R64.1@2275,723.84
  Bottom Layer w30: J12.12@1952,455 1952,1101.96 v3(2000.04,1150)
Cell7: D22.2 J12.11 Q22.2 R59.1 R61.1 | length 1124
  Top Layer w30: J12.11@1852,455 1852,547 1922,617 2012,617 2064.84,669.84 2064.84,723.68 R61.1@2065,723.84
  Bottom Layer w30: v3(1779,1139) 1852,1066 J12.11@1852,455
Cell8: D21.2 J12.10 Q20.2 R55.1 R57.1 | length 1057.9
  Top Layer w30: J12.10@1752,455 1752,564 1856,668 R57.1@1856,723.84
  Bottom Layer w30: v3(1571,1126) 1571,927 1752,746 J12.10@1752,455
Cell9: D20.2 J12.9 Q19.2 R52.1 R53.1 | length 1057.4
  Top Layer w30: R53.1@1647,723.84 1652,718.84 J12.9@1652,455
  Bottom Layer w30: v3(1361,1121) 1361,916 1652,625 J12.9@1652,455
Cell10: D19.2 J12.8 Q18.2 R49.1 R50.1 | length 1144.2
  Top Layer w30: R50.1@1438,723.84 1438,656.08 1552,542.08 J12.8@1552,455
  Bottom Layer w30: v3(1151,1117) 1151,984.61 1552,583.61 J12.8@1552,455
Cell11: D18.2 J12.7 Q17.2 R46.1 R47.1 | length 1308.6
  Top Layer w30: R47.1@1229,723.84 1229,664 1262,631 1383,631 1452,562 J12.7@1452,455
  Bottom Layer w30: v3(939,1119) 939,1074.95 1452,561.95 J12.7@1452,455
Cell12: D16.2 J12.6 Q15.2 R41.1 R42.1 | length 1405
  Top Layer w30: R42.1@1018,723.84 1018,661.12 1035.57,643.55 1163.45,643.55 J12.6@1352,455
  Bottom Layer w30: v3(727,1119) 1348.47,497.53 1348.47,458.53 J12.6@1352,455
Cell13: D15.2 J12.5 Q14.2 R35.1 R37.1 | length 1578.2
  Top Layer w30: R37.1@807,723.84 807,659.06 867.73,598.33 1108.67,598.33 J12.5@1252,455
  Bottom Layer w30: v3(543.57,1120) 587,1120 J12.5@1252,455
Cell14: D13.2 J12.4 Q13.2 R30.1 R31.1 | length 1815.8
  Top Layer w30: R31.1@598,723.84 598,668 710.9,555.1 1051.9,555.1 J12.4@1152,455
  Bottom Layer w30: v3(311,1123) 484,1123 J12.4@1152,455
Cell15: D12.2 J12.3 Q12.2 R27.1 R28.1 | length 2048
  Top Layer w30: R28.1@389,723.84 389,642 516.43,514.57 992.43,514.57 J12.3@1052,455
  Bottom Layer w30: v3(103.32,1123.87) 475,752.18 754.82,752.18 J12.3@1052,455
Cell16: J12.1 J12.2 R24.1 R25.1 | length 1386.9
  Top Layer w30: R24.1@55.65,1045.39 55.65,747.35 79.16,723.84 R25.1@180,723.84 180,602 327,455 J12.1@852,455 J12.2@952,455
Charge_Gate: D4.1 Q3.1 Q5.1 Q7.1 Q9.1 Q42.1 Q52.1 Q53.1 Q56.1 R6.2 R9.2 | length 4849.3
  Top Layer w15: Q9.1@665.11,3946.48 665.11,4025.61 676.82,4037.33 1087.16,4037.33 ; Q3.1@1104.65,3946.02 1104.65,4019.84 1087.16,4037.33 ; Q5.1@1534.65,3946.02 1534.65,4011.58 1508.9,4037.33 ; Q7.1@1974.65,3946.02 1974.65,4019.84 1957.16,4037.33 ; Q53.1@2414.65,3946.02 2414.65,4019.84 2397.16,4037.33 ; Q42.1@2854.65,3946.02 2854.65,4011.58 2828.9,4037.33 ; Q52.1@3294.65,3946.02 3294.65,4019.84 3277.16,4037.33 ; Q56.1@3735.11,3946.48 3735.11,4025.61 3723.39,4037.33 3277.16,4037.33 ; 1087.16,4037.33 1508.9,4037.33 ; 1508.9,4037.33 1957.16,4037.33 ; 1957.16,4037.33 2397.16,4037.33 ; 2397.16,4037.33 2828.9,4037.33 ; 2828.9,4037.33 3277.16,4037.33
  Top Layer w20: v3(573,3144) 574.22,3142.78 R9.2@574.22,2971.75 ; v3(662.82,3702) 662.21,3702.61 D4.1@662.21,3750.64 662.82,3751.26 662.82,3839.62 R6.2@663.43,3840.24 664.04,3840.84 664.04,3945.42 Q9.1@664.65,3946.02
  GND w25: v3(573,3144) 573,3612.18 v3(662.82,3702)
CHG_AFE: FB1.1 U1.45 | length 1262.7
  Top Layer w8: v3(1321.37,2029.2) 1334.79,2015.79 U1.45@1373.66,2015.79
  Top Layer w35: v3(574,2658) FB1.1@574,2703.32
  Bottom Layer w20: v3(574,2658) 574,2399 943.8,2029.2 v3(1321.37,2029.2)
CP_AFE: C17.1 U1.46 | length 104.2
  Top Layer w8: C17.1@1271.7,2001.61 1277.21,1996.1 U1.46@1373.66,1996.1
D_N: D48.4 J6.A7 J6.B7 | length 180.6
  Top Layer w8: D48.4@5532.56,1808.6 5540.43,1808.6 5551.31,1819.47 5573.28,1819.47 J6.B7@5604.44,1819.47 5603.54,1820.38 5573.28,1820.38 5568.32,1825.33 5568.32,1852.08 5574.18,1857.94 5603.54,1857.94 J6.A7@5604.44,1858.84
D_P: D48.6 J6.A6 J6.B6 | length 173.9
  Top Layer w8: D48.6@5532.56,1883.4 5536.53,1879.43 5603.54,1879.43 J6.B6@5604.44,1878.53 5621.17,1878.53 5622.08,1877.62 5632.84,1877.62 5638.69,1871.76 5638.69,1845.92 5632.84,1840.06 5622.08,1840.06 5621.17,1839.16 J6.A6@5604.44,1839.16
Discharge_Gate: D5.1 Q4.1 Q6.1 Q8.1 Q10.1 Q51.1 Q54.1 Q55.1 Q57.1 R7.1 R10.2 R11.2 | length 6641.6
  Top Layer w15: D5.1@995.35,5049 R7.1@995.35,4959.5 Q4.1@995.35,4840.08 995.35,4758.65 1010.9,4743.1 1419.61,4743.1 ; Q10.1@1435.35,4840.08 1435.35,4758.84 1419.61,4743.1 ; Q6.1@1865.35,4840.08 1865.35,4757.35 1851.1,4743.1 ; Q8.1@2305.35,4840.08 2305.35,4758.84 2289.61,4743.1 ; Q54.1@2745.35,4840.08 2745.35,4774.59 2713.86,4743.1 ; Q57.1@3185.35,4840.08 3184.81,4839.53 3184.81,4768.29 3159.61,4743.1 ; Q55.1@3625.35,4840.08 3625.35,4762.15 3606.3,4743.1 ; Q51.1@4065.35,4840.08 4065.35,4758.75 4049.7,4743.1 3606.3,4743.1 ; 1419.61,4743.1 1851.1,4743.1 ; 1851.1,4743.1 2289.61,4743.1 ; 2289.61,4743.1 2713.86,4743.1 ; 2713.86,4743.1 3159.61,4743.1 ; 3159.61,4743.1 3606.3,4743.1
  Top Layer w20: R10.2@645,2971.75 645,3092 v3(646,3093)
  Top Layer w30: Q51.1@4065.35,4840.08 R11.2@4065.35,4931.39
  GND w25: v3(646,3093) 568,3093 526,3135 526,4694 590.8,4758.8 973.08,4758.8 995.61,4781.33 v3(995.61,4920.66)
DSG_AFE: FB2.1 U1.43 | length 1158.9
  Top Layer w8: v3(1253,2068.94) 1266.78,2055.16 U1.43@1373.66,2055.16
  Top Layer w35: v3(645,2661) FB2.1@645,2702
  Bottom Layer w20: v3(645,2661) 645,2425 1001.06,2068.94 v3(1253,2068.94)
ESP_EN: C40.2 SW1.2 U9.45 | length 544.2
  Top Layer w15: C40.2@3996,325.8 3996,261.29 4025.61,231.68 SW1.2@4144.26,231.68 4144.26,152.16 4188.71,107.71 U9.45@4365.45,107.71
FB: R93.1 R96.2 U4.5 | length 262.9
  Top Layer w25: U4.5@2724.97,2643.05 2773.41,2643.05 2796.47,2619.99 R93.1@2796.47,2572.56
  Top Layer w39.37: R96.2@2661.97,2572.48 R93.1@2796.39,2572.48